# Altium PCB Computer_Board.PcbDoc (part 4 of 5)
Units mm, origin at the board's own origin, x right, y up, seen from the top; angles counter-clockwise.
Board outline 210 x 125 mm, 4 copper layers (Top Layer, Layer 1, Layer 2, Bottom Layer), stack 1.571 mm thick; 443 components, 406 nets, 2112 pads, 1064 vias.
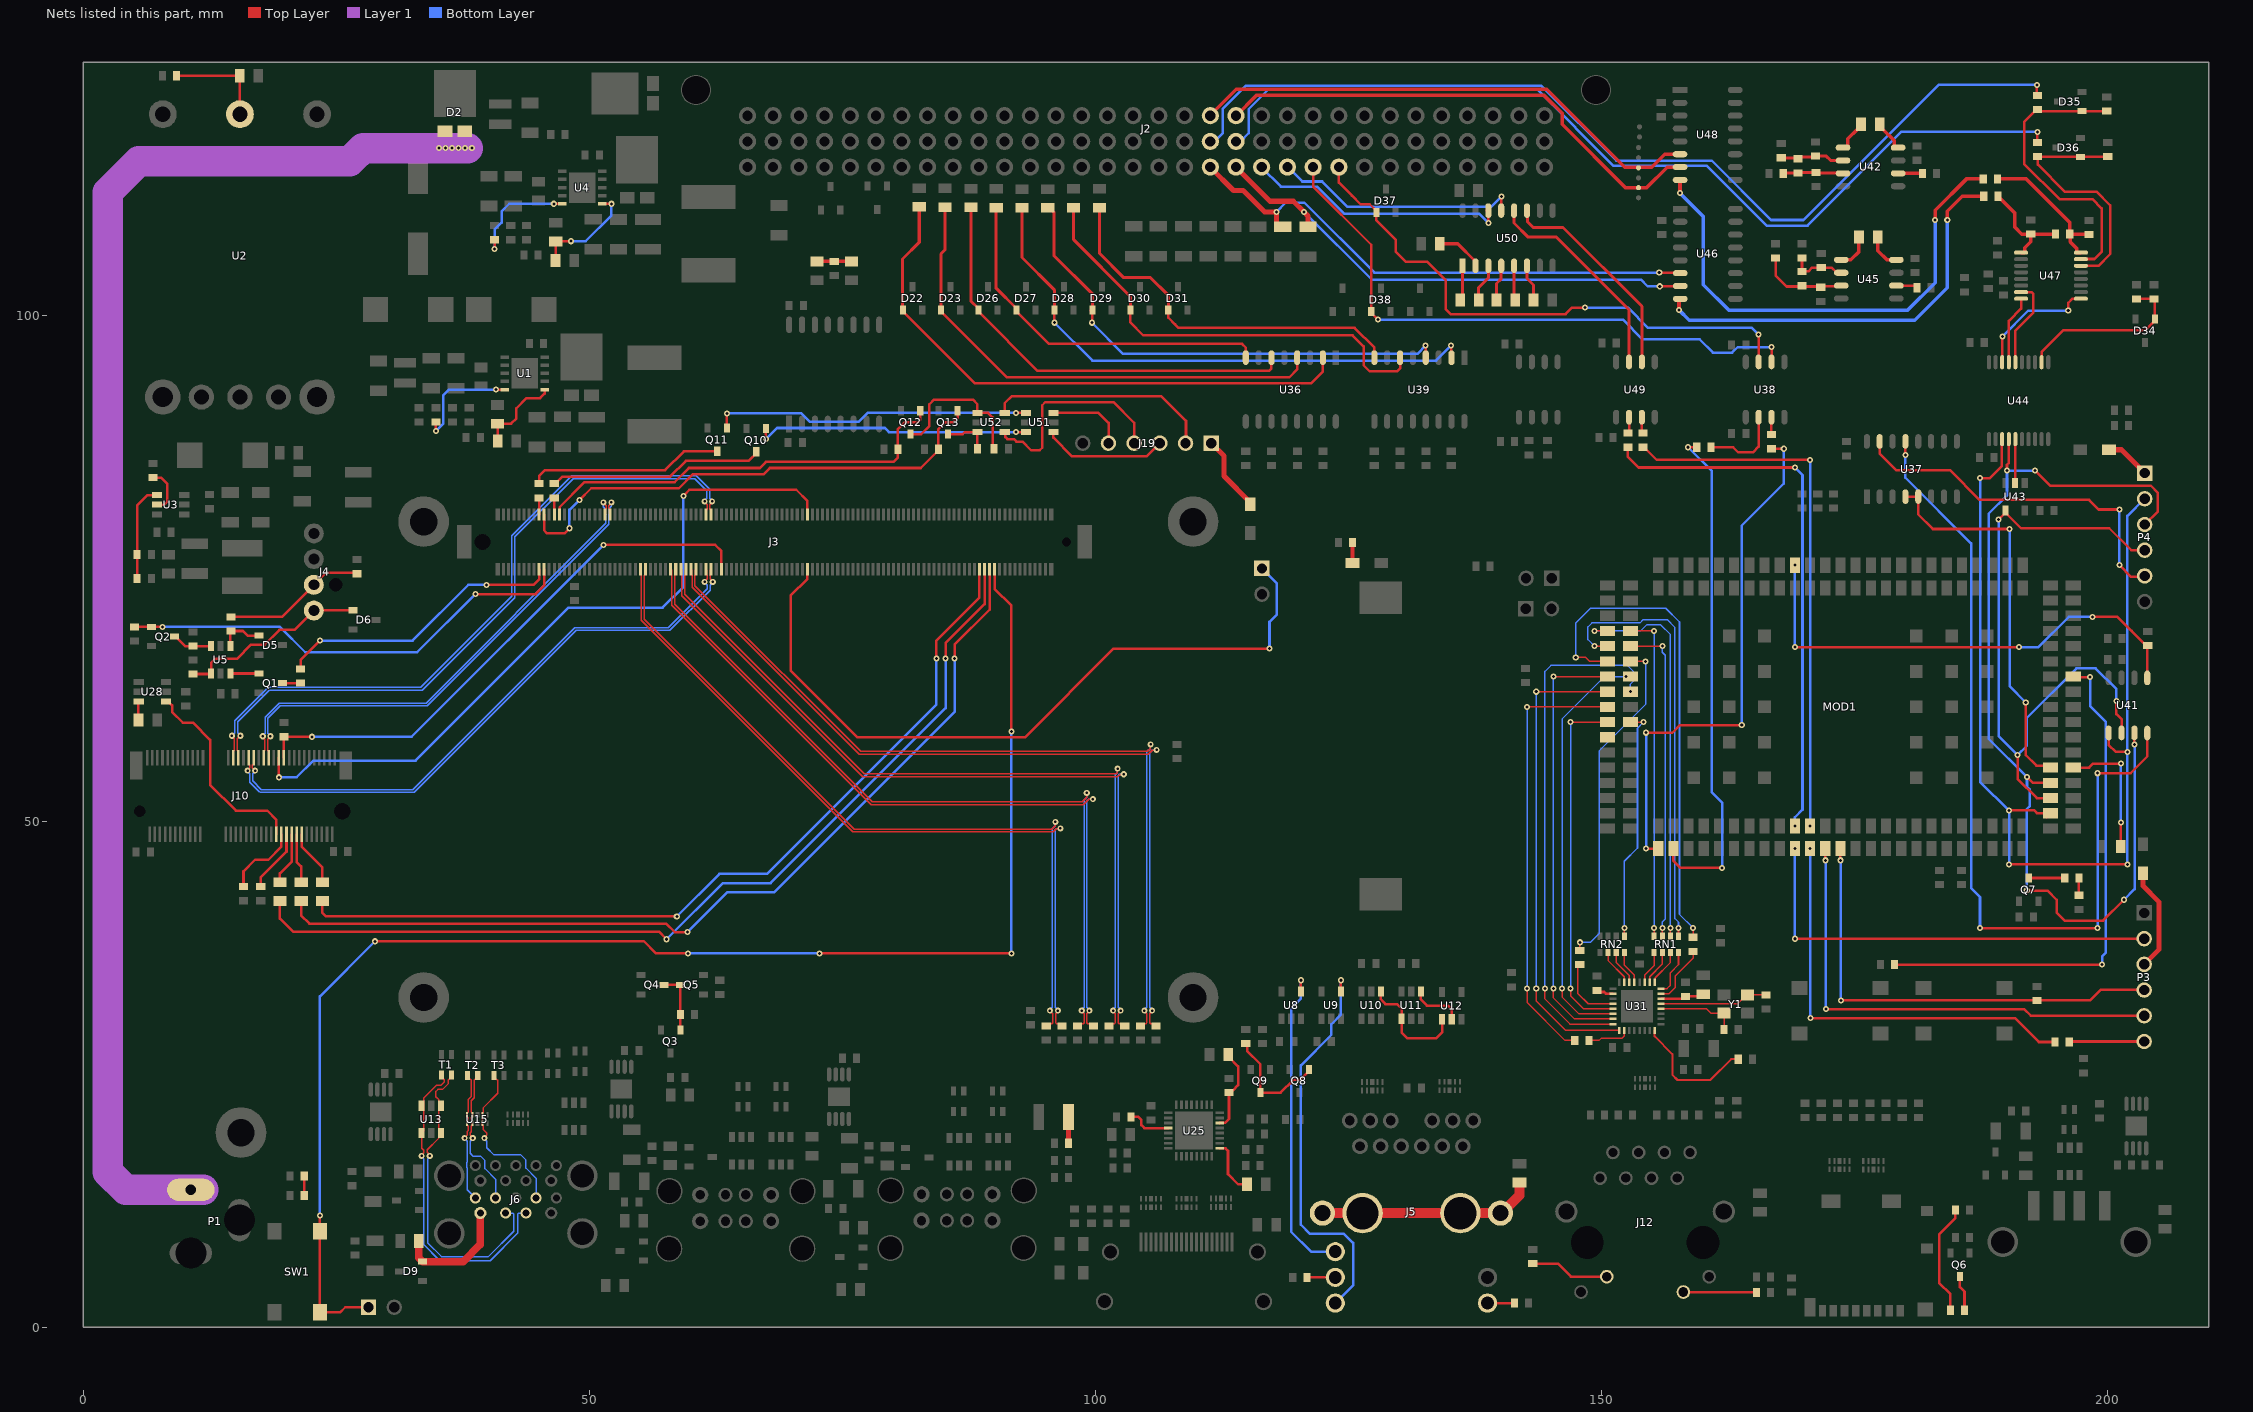
[diagram p6: the nets of this part, all layers, seen from the top]

## Via types
v1: diameter 0.6, hole 0.3, Top Layer to Bottom Layer, tented both sides, 853 vias
v2: diameter 0.6, hole 0.3, Top Layer to Bottom Layer, 91 vias
v3: diameter 0.6, hole 0.25, Top Layer to Bottom Layer, tented both sides, 88 vias
v4: diameter 0.5, hole 0.2, Top Layer to Bottom Layer, tented both sides, 20 vias
v5: diameter 0.45, hole 0.2, Top Layer to Bottom Layer, tented both sides, 5 vias
v6: diameter 0.8, hole 0.4, Top Layer to Bottom Layer, tented both sides, 4 vias
v7: diameter 0.9, hole 0.5, Top Layer to Bottom Layer, tented both sides, 3 vias

## Nets (pads, with @x,y where several pads share a name; then routed paths per layer and width w, separated by ;. In a path a pad name is that pad's centre, name@x,y a point inside that pad or via, vN(x,y) a via of type N, cw(c..) or ccw(c..) an arc to the next point about the centre after c; other vN are vias at no path point) (continued)
NetC79_1: C79.1 C80.1 U31.6 | length 4.3
  Top Layer w0.25: U31.6@155.875,32.475 157.975,32.475 158.2,32.7 C79.1@158.3,32.7 159.9,32.7 C80.1@160.05,32.85
NetC81_1: C81.1 U31.4 Y1.1 | length 8
  Top Layer w0.15: U31.4@155.875,31.475 160.375,31.475 160.8,31.05 Y1.1@162.1,31.05 C81.1@162.1,29.45
NetC82_1: C82.1 U31.5 Y1.3 | length 10.7
  Top Layer w0.15: U31.5@155.875,31.975 163.425,31.975 164.3,32.85 Y1.3@164.4,32.85 C82.1@166.25,32.85
NetC89_1: C89.1 R84.2 R87.1 | length 3.4
  Top Layer w0.35: R84.2@72.5,105.3 C89.1@74.2,105.3 R87.1@75.9,105.3
NetC98_1: C98.1 C100.1 R111.1 U42.2 | length 6.6
  Top Layer w0.3: R111.1@167.55,115.5 169.55,115.5 169.65,115.6 171.05,115.6 C100.1@171.15,115.7 172.2,115.7 172.63,115.27 U42.2@173.85,115.27
NetC98_2: C98.2 C101.1 R113.1 U42.3 | length 6
  Top Layer w0.3: R113.1@167.95,114.025 169.375,114.025 C98.2@169.4,114.05 169.425,114.075 171.175,114.075 171.2,114.05 173.8,114.05 U42.3@173.85,114
NetC104_1: C104.1 C107.1 R116.1 U45.2 | length 5.7
  Top Layer w0.254: R116.1@169.8,105.65 C104.1@169.8,104.332 ; U45.2@173.675,104.185 173.25,104.185 172.735,104.7 170.8,104.7 170.432,104.332 C104.1@169.8,104.332 ; C104.1@169.8,104.332 169.782,104.332 169.75,104.3 C104.1@169.8,104.3 C104.1@169.8,104.332
NetC104_2: C104.2 C108.1 R118.1 U45.3 | length 8.9
  Top Layer w0.254: R118.1@167.2,105.65 167.2,103.9 168.275,102.825 169.725,102.825 C104.2@169.8,102.9 ; C104.2@169.75,102.9 169.825,102.825 C108.1@171.575,102.825 ; C108.1@171.65,102.75 C108.1@171.575,102.825 ; U45.3@173.675,102.915 173.609,102.849 171.599,102.849 C108.1@171.575,102.825
NetC118_2: C118.2 U50.2 | length 4.7
  Top Layer w0.3: C118.2@134.025,107.05 135.799,107.05 137.549,105.3 U50.2@137.549,104.875
NetC119_1: C119.1 U50.3 | length 3.7
  Top Layer w0.3: C119.1@137.825,101.6 137.825,102.675 138.819,103.669 U50.3@138.819,104.875
NetC119_2: C119.2 U50.1 | length 3.4
  Top Layer w0.3: C119.2@135.975,101.6 136.279,101.904 U50.1@136.279,104.875
NetC120_1: C120.1 U50.5 | length 3.4
  Top Layer w0.3: U50.5@141.359,104.875 141.359,101.616 C120.1@141.475,101.5
NetC120_2: C120.2 U50.4 | length 3.6
  Top Layer w0.3: C120.2@139.625,101.5 139.625,103.125 140.089,103.589 U50.4@140.089,104.875
NetC121_1: C121.1 U50.6 | length 3.6
  Top Layer w0.3: U50.6@142.629,104.875 142.629,103.621 143.275,102.975 C121.1@143.275,101.5
NetD2_1: D2.1 D2.2 P1.1 | length 144.3
  Layer 1 w3: P1.1@11.9,13.6 4.207,13.6 2.45,15.357 2.45,112.15 5.5,115.2 26.35,115.2 27.65,116.5 34.75,116.5 35.4,116.5 36.05,116.5 36.7,116.5 37.35,116.5 v1@38,116.5
  other v1: 35.15,116.5 35.8,116.5 36.45,116.5 37.1,116.5 37.75,116.5 38.4,116.5
NetD5_1: D5.1 R14.1 U5.1 | length 4.5
  Top Layer w0.25: U5.1@14.55,67.3 14.55,68.75 R14.1@14.6,68.8 15.8,68.8 16.25,68.35 D5.1@17.4,68.35
NetD6_1: D6.1 J4.4 R17.2 U5.4 | length 19
  Top Layer w0.25: R17.2@10.85,64.55 12.6,64.55 U5.4@12.65,64.6 12.65,65.65 13.05,66.05 15.2,66.05 16.6,67.45 17.95,67.45 19.4,68.9 20.88,68.9 J4.4@22.8,70.82 22.8,70.835 26.635,70.835 D6.1@26.65,70.85
NetD7_1: D7.1 R19.1 | length 2.1
  Top Layer w0.35: D7.1@125.4,75.5 R19.1@125.4,77.55
NetD8_2: D8.2 R20.1 | length 1.9
  Top Layer w0.25: D8.2@21.85,13.05 R20.1@21.85,14.95
NetD17_1: D17.1 P3.3 | length 10.2
  Top Layer w0.5: D17.1@203.5,44.875 203.5,43.6 205.05,42.05 205.05,37.32 P3.3@203.6,35.87
NetD18_1: D18.1 Q6.3 | length 3.5
  Top Layer w0.25: Q6.3@185.4,5.05 185.4,4 185.85,3.55 D18.1@185.85,1.7
NetD18_2: D18.2 R62.1 | length 11
  Top Layer w0.25: D18.2@184.45,1.7 184.45,3.3 183.35,4.4 183.35,9.2 184.95,10.8 R62.1@184.95,11.6
NetD19_1: D19.1 Q7.3 | length 3.6
  Top Layer w0.25: Q7.3@192.2,44.4 D19.1@195.75,44.4
NetD19_2: D19.2 R63.1 | length 1.7
  Top Layer w0.25: R63.1@197.15,42.7 D19.2@197.15,44.4
NetD20_1: D20.1 P4.1 | length 4.5
  Top Layer w0.5: D20.1@200.125,86.7 201.35,86.7 P4.1@203.65,84.4
NetD22_1: D22.1 R85.1 U36.2 | length 57.3
  Top Layer w0.25: D22.1@81,100.35 88.1,93.25 121.3,93.25 122.475,94.425 U36.2@122.475,95.8
  Top Layer w0.3: D22.1@81,100.35 D22.1@81,100.5 80.95,100.55 80.95,105.538 82.6,107.187 R85.1@82.6,110.7
NetD23_1: D23.1 R86.1 U36.4 | length 49.9
  Top Layer w0.25: D23.1@84.75,100.35 91.25,93.85 119.15,93.85 119.935,94.635 U36.4@119.935,95.8
  Top Layer w0.3: D23.1@84.75,100.35 D23.1@84.75,100.5 84.75,106.05 85.15,106.45 R86.1@85.15,110.675
NetD26_1: D26.1 R88.1 U36.6 | length 43.1
  Top Layer w0.25: D26.1@88.45,100.35 94.3,94.5 117.15,94.5 117.395,94.745 U36.6@117.395,95.8
  Top Layer w0.3: R88.1@87.7,110.65 87.7,101.4 88.45,100.65 D26.1@88.45,100.5 D26.1@88.45,100.35
NetD27_1: D27.1 R89.1 U36.8 | length 36.2
  Top Layer w0.25: D27.1@92.2,100.35 95.4,97.15 114.5,97.15 114.855,96.795 U36.8@114.855,95.8
  Top Layer w0.3: R89.1@90.2,110.625 90.2,102.65 92.2,100.65 D27.1@92.2,100.5 D27.1@92.2,100.35
NetD28_1: D28.1 R97.1 U39.2 | length 55.2
  Top Layer w0.25: v2(95.95,99.25) D28.1@95.95,100.5 ; v1(135.137,96.987) 135.15,96.975 U39.2@135.15,95.8
  Top Layer w0.3: R97.1@92.75,110.6 92.75,105.7 95.95,102.5 D28.1@95.95,100.5
  Bottom Layer w0.25: v2(95.95,99.25) 99.7,95.5 133.65,95.5 v1(135.137,96.987)
NetD29_1: D29.1 R98.1 U39.4 | length 49.1
  Top Layer w0.25: v2@99.669,99.269 D29.1@99.669,100.469 ; v1(132.63,96.98) 132.642,96.967 132.642,95.792 U39.4@132.655,95.78
  Top Layer w0.3: R98.1@95.3,110.6 95.475,110.6 95.9,110.175 95.9,105.9 99.7,102.1 D29.1@99.7,100.5
  Top Layer w0.5: v2(99.65,99.25) v2@99.669,99.269 ; D29.1@99.669,100.469 D29.1@99.7,100.5 ; U39.4@132.635,95.8 U39.4@132.642,95.792
  Bottom Layer w0.25: v2(99.65,99.25) 102.7,96.2 131.85,96.2 v1(132.63,96.98)
NetD30_1: D30.1 R99.1 U39.6 | length 44.6
  Top Layer w0.25: D30.1@103.45,100.5 103.45,99.277 104.727,98 125.4,98 126.5,96.9 126.5,95.05 127.1,94.45 129.8,94.45 130.095,94.745 U39.6@130.095,95.8
  Top Layer w0.3: R99.1@97.85,110.625 97.85,107.45 103.45,101.85 D30.1@103.45,100.5
NetD31_1: D31.1 R100.1 U39.8 | length 37.8
  Top Layer w0.25: D31.1@107.2,100.5 107.2,99.75 107.875,99.075 108.2,98.75 125.6,98.75 127.555,96.795 U39.8@127.555,95.8
  Top Layer w0.3: R100.1@100.4,110.625 100.4,106.1 102.8,103.7 105.45,103.7 107.2,101.95 D31.1@107.2,100.5
NetD34_1: D34.1 R105.1 R114.1 U44.12 | length 17.4
  Top Layer w0.254: U44.12@193.475,95.35 193.475,96.375 195.6,98.5 203.7,98.5 204.477,99.277 204.65,99.45 204.65,101.504 R114.1@204.554,101.6 R105.1@202.85,101.6
NetD39_1: D39.1 J19.1 | length 7.6
  Top Layer w0.5: J19.1@111.45,87.35 112.7,86.1 112.7,84.1 115.3,81.5 D39.1@115.3,81.325
NetF2_1: F2.1 L17.2 | length 2.6
  Top Layer w0.5: L17.2@97.35,18.2 F2.1@97.35,20.8
NetJ3_B101: J3.B101 Q2.1 R18.1 | length 45.8
  Top Layer w0.25: R18.1@5.1,69.2 Q2.1@6.75,69.2 v1(7.85,69.2) ; v1(38.75,72.45) 44.7,72.45 45.55,73.3 J3.B101@45.55,74.9
  Bottom Layer w0.25: v1(7.85,69.2) 19.45,69.2 21.95,66.7 33,66.7 v1(38.75,72.45)
NetJ3_B102: J3.B102 R15.1 | length 28.7
  Top Layer w0.25: R15.1@21.5,65.05 21.5,65.95 v1(23.4,67.85) ; v1(39.85,73.35) 44.5,73.35 45.05,73.9 J3.B102@45.05,74.9
  Bottom Layer w0.25: v1(23.4,67.85) 32.55,67.85 38.05,73.35 v1(39.85,73.35)
NetJ4_3: J4.3 R13.1 R14.2 | length 14.2
  Top Layer w0.25: R14.2@14.6,70.2 19.64,70.2 J4.3@22.8,73.36 23.99,74.55 26.85,74.55 R13.1@26.95,74.45
NetJ5_14: J5.14 R21.2 | length 2.7
  Top Layer w0.25: J5.14@138.74,2.41 141.39,2.41 R21.2@141.4,2.4
NetJ5_15: J5.15 U8.4 | length 31.5
  Top Layer w0.25: U8.4@120.3,33.2 v1(120.3,34.3)
  Bottom Layer w0.25: v1(120.3,34.3) 120.3,32.5 119.35,31.55 119.35,9.45 121.31,7.49 J5.15@123.7,7.49
NetJ5_16: J5.16 R22.2 | length 2.8
  Top Layer w0.25: R22.2@120.9,4.95 J5.16@123.7,4.95
NetJ5_17: J5.17 U9.4 | length 39.4
  Top Layer w0.25: U9.4@124.25,33.2 v1(124.25,34.3)
  Bottom Layer w0.25: J5.17@123.7,2.41 125.45,4.16 125.45,8.35 124.55,9.25 121.2,9.25 120.3,10.15 120.3,25.9 123.3,28.9 123.3,29.95 124.25,30.9 v1(124.25,34.3)
NetJ10_52: J10.52 U28.4 | length 20.2
  Top Layer w0.25: U28.4@8.2,61.85 8.4,61.85 8.8,61.45 8.8,60.8 9.85,59.75 10.85,59.75 12.55,58.05 12.55,53.6 15.1,51.05 18.2,51.05 19.1,50.15 J10.52@19.1,48.725
NetJ10_54: J10.54 R44.2 | length 7.5
  Top Layer w0.25: R44.2@15.85,43.55 15.85,45.05 17,46.2 18.3,46.2 19.6,47.5 J10.54@19.6,48.725
NetJ10_56: J10.56 R45.2 | length 6.2
  Top Layer w0.25: R45.2@17.55,43.55 17.55,44.45 20.1,47 J10.56@20.1,48.725
NetJ10_58: J10.58 R48.2 | length 5.2
  Top Layer w0.25: R48.2@19.45,43.975 19.45,44.85 20.6,46 J10.58@20.6,48.725
NetJ10_60: J10.60 R49.2 | length 4.9
  Top Layer w0.25: J10.60@21.1,48.725 21.1,46 21.55,45.55 R49.2@21.55,43.975
NetJ10_62: J10.62 R50.2 | length 5.6
  Top Layer w0.25: J10.62@21.6,48.725 21.6,47.5 23.65,45.45 R50.2@23.65,43.975
NetJ12_10: J12.10 R68.2 | length 7.2
  Top Layer w0.25: J12.10@158.085,3.5 165.25,3.5 R68.2@165.3,3.45
NetJ12_11: J12.11 R77.1 | length 7.8
  Top Layer w0.25: R77.1@143.2,6.3 145.7,6.3 146.98,5.02 J12.11@150.515,5.02
NetMOD1_44: MOD1.44 P3.2 | length 43.4
  Top Layer w0.25: v1(169.1,38.4) 203.59,38.4 P3.2@203.6,38.41
  Bottom Layer w0.25: v1(169.1,38.4) v1(169.1,47.3)
NetMOD1_45: MOD1.45 R54.1 | length 41.9
  Top Layer w0.25: v1(170.654,30.55) 190.85,30.55 193.2,28.2 R54.1@194.8,28.2
  Bottom Layer w0.25: v1(170.6,47.3) 170.627,47.273 170.627,30.577 v1(170.654,30.55)
NetMOD1_46: MOD1.46 P3.5 | length 47.6
  Top Layer w0.25: v1(172.1,46.15) MOD1.46@172.1,47.3 ; v1(172.15,31.45) 191.75,31.45 192.41,30.79 P3.5@203.6,30.79
  Bottom Layer w0.25: v1(172.1,46.15) 172.15,46.1 v1(172.15,31.45)
NetMOD1_47: MOD1.47 P3.4 R55.2 | length 45.4
  Top Layer w0.25: v1(173.6,46.15) MOD1.47@173.6,47.3 ; v1(173.631,32.319) 198.269,32.319 199.29,33.34 203.59,33.34 P3.4@203.6,33.33
  Bottom Layer w0.25: v1(173.6,46.15) 173.625,46.125 173.625,32.325 v1(173.631,32.319)
NetMOD1_89: MOD1.89 R64.2 | length 13.1
  Top Layer w0.25: MOD1.89@196.6,55.3 198.15,55.3 198.55,55.7 v1(201.3,55.7) ; R64.2@201.3,47.5 v1(201.3,49.9)
  Bottom Layer w0.25: v1(201.3,49.9) v1(201.3,55.7)
NetMOD1_95: MOD1.95 R65.2 | length 51.4
  Top Layer w0.25: R65.2@178.95,35.85 v1(199.45,35.85) ; MOD1.95@196.6,64.3 196.65,64.25 v1(198.25,64.25)
  Bottom Layer w0.25: v1(198.25,64.25) 198.25,61.4 199.8,59.85 199.8,37 199.45,36.65 v1(199.45,35.85)
NetP3_6: P3.6 R54.2 | length 7.4
  Top Layer w0.25: R54.2@196.2,28.2 196.25,28.25 P3.6@203.6,28.25
NetQ1_1: Q1.1 U5.6 | length 2.9
  Top Layer w0.25: U5.6@14.55,64.6 Q1.1@17.4,64.6
NetQ1_3: Q1.3 R15.2 | length 1.8
  Top Layer w0.25: Q1.3@19.7,63.65 R15.2@21.5,63.65
NetQ2_3: Q2.3 R16.2 U5.3 | length 4
  Top Layer w0.25: Q2.3@9.05,68.25 9.2,68.25 9.375,68.075 9.375,68.015 10.09,67.3 U5.3@12.65,67.3
NetQ3_1: Q3.1 Q4.3 Q5.3 R28.2 | length 6.1
  Top Layer w0.25: Q4.3@57.4,33.85 Q5.3@59,33.85 Q3.1@59,29.4
NetQ8_1: Q8.1 Q9.3 R126.2 | length 11.3
  Top Layer w0.25: R126.2@114.85,28.05 114.979,27.921 114.979,27.321 116.3,26 Q9.3@116.3,23.2 118.3,23.2 119.55,24.45 120.2,24.45 121.1,25.35 Q8.1@121.1,25.5
NetQ10_1: Q10.1 U51.6 | length 27.4
  Top Layer w0.25: v1(67.45,87.75) Q10.1@67.45,88.8 ; v1(92.15,88.45) U51.6@93.15,88.45
  Bottom Layer w0.25: v1(67.45,87.75) 68.55,88.85 79.2,88.85 79.6,88.45 v1(92.15,88.45)
NetQ10_3: Q10.3 R129.2 | length 21.3
  Top Layer w0.25: R129.2@46.55,83.35 46.65,83.35 46.875,83.575 47.35,84.05 58,84.05 59.55,85.6 65.75,85.6 66,85.85 66.5,86.35 Q10.3@66.5,86.5
NetQ11_1: Q11.1 U51.4 | length 31.7
  Top Layer w0.25: Q11.1@63.6,88.85 v1(63.6,90.3) ; v1(92.15,90.35) U51.4@93.15,90.35
  Bottom Layer w0.25: v1(63.6,90.3) 70.95,90.3 71.8,89.45 76.6,89.45 77.5,90.35 v1(92.15,90.35)
NetQ11_3: Q11.3 R130.2 | length 19.4
  Top Layer w0.25: R130.2@45.05,83.35 45.05,84.1 45.65,84.7 57.5,84.7 59.35,86.55 Q11.3@62.65,86.55
NetQ12_3: Q12.3 R131.2 U52.1 | length 15.2
  Top Layer w0.25: Q12.3@81.75,88.25 82.8,88.25 83.6,89.05 83.6,91.2 84.05,91.65 87.9,91.65 88.35,91.2 U52.1@88.35,90.35 89.4,90.35 89.85,89.9 89.85,86.95 R131.2@90,86.8
NetQ13_3: Q13.3 R132.2 U52.3 | length 4.6
  Top Layer w0.25: Q13.3@85.45,88.25 86.9,88.25 87.1,88.45 U52.3@88.35,88.45 R132.2@88.35,86.8
NetR1_1: R1.1 R125.1 U2.2 | length 10
  Top Layer w0.25: R1.1@9.25,123.65 R125.1@15.475,123.65 15.5,123.625 U2.2@15.5,119.85
NetR2_2: R2.2 R5.1 U1.6 | length 8.6
  Top Layer w0.25: R2.2@40.95,87.55 R5.1@40.95,89.275 42.275,89.275 42.8,89.8 42.8,90.8 43.8,91.8 45.15,91.8 45.6,92.25 U1.6@45.6,92.65 U1.6@45.596,92.646
NetR4_1: R4.1 U1.5 | length 11
  Top Layer w0.25: v1(34.85,88.55) R4.1@34.85,89.45 ; v1(40.8,92.65) U1.5@41.65,92.65
  Bottom Layer w0.25: v1(34.85,88.55) 35.6,89.3 35.6,92.1 36.15,92.65 v1(40.8,92.65)
NetR6_1: R6.1 U3.5 | length 4.6
  Top Layer w0.25: R6.1@6.9,83.95 7.7,83.95 8.3,83.35 8.3,81.55 8.029,81.279 7.304,81.279 U3.5@7.3,81.275
NetR7_2: R7.2 R8.1 U3.4 | length 9.6
  Top Layer w0.25: R7.2@5.35,74 R8.1@5.35,76.35 5.35,81.2 6.375,82.225 U3.4@7.3,82.225
NetR9_2: R9.2 R12.1 U4.6 | length 10.5
  Top Layer w0.25: R9.2@46.675,105.4 46.7,105.425 R12.1@46.7,107.275 48.175,107.275 v1(48.2,107.3) ; U4.6@51.3,111 v1(52.2,111)
  Bottom Layer w0.25: v1(48.2,107.3) 49.65,107.3 52.2,109.85 v1(52.2,111)
NetR11_1: R11.1 U4.5 | length 11.2
  Top Layer w0.25: v1(40.65,106.55) R11.1@40.65,107.45 ; v1(46.5,111) U4.5@47.35,111
  Bottom Layer w0.25: v1(40.65,106.55) 40.65,108.45 41.35,109.15 41.35,110.25 42.1,111 v1(46.5,111)
NetR33_1: R33.1 U25.17 | length 5.5
  Top Layer w0.25: U25.17@112.3,17.7 112.31,17.69 112.86,17.69 113.1,17.45 113.1,15.15 114.1,14.15 R33.1@114.975,14.15
NetR36_2: R36.2 R37.2 U25.22 | length 8.3
  Top Layer w0.25: U25.22@112.3,20.2 112.31,20.21 112.81,20.21 113.2,20.6 R36.2@113.2,23.2 113.425,23.425 113.575,23.425 114.1,23.95 114.1,25.8 113.125,26.775 R37.2@113.125,26.95
NetR40_1: R40.1 U25.4 | length 4.4
  Top Layer w0.25: R40.1@103.5,20.8 104.25,20.8 104.55,20.5 104.55,20 104.85,19.7 U25.4@107.2,19.7
NetR47_2: R47.2 U28.3 | length 1.9
  Top Layer w0.25: R47.2@5.475,60 5.475,61.825 U28.3@5.5,61.85
NetR51_2: R51.2 U38.2 | length 8.1
  Top Layer w0.25: R51.2@160.8,86.95 163,86.95 163.5,86.45 164.95,86.45 165.515,87.015 U38.2@165.515,89.925
NetR52_2: R52.2 U38.3 | length 1.7
  Top Layer w0.25: U38.3@166.785,89.925 166.785,88.215 R52.2@166.8,88.2
NetR74_2: R74.2 U31.26 | length 4.2
  Top Layer w0.15: R74.2@148.75,28.35 149.75,28.35 149.95,28.55 152,28.55 152.25,28.8 U31.26@152.25,29.35
NetR75_2: R75.2 U31.7 | length 6
  Top Layer w0.15: U31.7@155.875,32.975 156.675,32.975 157.3,33.6 157.3,34.75 159.05,36.5 R75.2@159.05,37.15
NetR76_2: R76.2 U31.20 | length 6.8
  Top Layer w0.15: R76.2@147.85,35.85 147.65,35.65 147.65,33 148.675,31.975 U31.20@151.125,31.975
NetR78_1: R78.1 U31.18 | length 1.7
  Top Layer w0.25: R78.1@149.55,33.3 149.712,33.138 150.263,33.138 150.425,32.975 U31.18@151.125,32.975
NetR80_1: R80.1 U31.32 | length 12.7
  Top Layer w0.2: U31.32@155.25,29.35 155.25,28.75 157,27 157,24.95 157.5,24.45 160.75,24.45 162.8,26.5 R80.1@163.5,26.5
NetR110_1: R110.1 U42.8 | length 3.2
  Top Layer w0.35: R110.1@177.475,118.85 177.475,118.675 177.775,118.375 178.905,117.245 178.905,116.655 179.021,116.54 U42.8@179.3,116.54
NetR110_2: R110.2 U42.1 | length 3.3
  Top Layer w0.35: U42.1@173.85,116.54 174.2,116.54 174.315,116.655 174.315,117.415 175.275,118.375 175.325,118.375 175.625,118.675 R110.2@175.625,118.85
NetR112_2: R112.2 U42.6 | length 2.5
  Top Layer w0.35: U42.6@179.3,114 181.525,114 181.7,113.825 R112.2@181.7,113.8
NetR115_1: R115.1 U45.8 | length 3.6
  Top Layer w0.35: R115.1@177.275,107.734 177.275,106.375 178.195,105.455 U45.8@179.125,105.455
NetR115_2: R115.2 U45.1 | length 3.5
  Top Layer w0.35: U45.1@173.675,105.455 174.605,105.455 175.425,106.275 R115.2@175.425,107.734
NetR117_2: R117.2 U45.6 | length 2.1
  Top Layer w0.254: U45.6@179.125,102.915 180.935,102.915 R117.2@181.15,102.7
NetR123_2: R123.2 U49.2 | length 1.6
  Top Layer w0.25: R123.2@152.6,88.35 152.715,88.465 U49.2@152.715,89.925
NetR124_2: R124.2 U49.3 | length 1.6
  Top Layer w0.25: U49.3@153.985,89.925 153.985,88.465 R124.2@154.1,88.35
NetRN1_5: RN1.5 U31.11 | length 3.3
  Top Layer w0.15: U31.11@154.25,34.1 154.25,34.8 155.2,35.75 RN1.5@155.2,37.05
NetRN1_6: RN1.6 U31.10 | length 3.5
  Top Layer w0.15: U31.10@154.75,34.1 154.75,34.65 156,35.9 RN1.6@156,37.05
NetRN1_7: RN1.7 U31.9 | length 3.6
  Top Layer w0.15: U31.9@155.25,34.1 155.297,34.147 155.297,34.547 156.8,36.05 RN1.7@156.8,37.05
NetRN1_8: RN1.8 U31.8 | length 4.6
  Top Layer w0.15: U31.8@155.875,33.475 156.475,33.475 156.8,33.8 156.8,35.05 157.6,35.85 RN1.8@157.6,37.05
NetRN2_6: RN2.6 U31.15 | length 3.6
  Top Layer w0.15: RN2.6@150.65,37.05 150.65,36.25 152.25,34.65 U31.15@152.25,34.1
NetRN2_7: RN2.7 U31.14 | length 3.5
  Top Layer w0.15: RN2.7@151.45,37.05 151.45,36.05 152.75,34.75 U31.14@152.75,34.1
NetRN2_8: RN2.8 U31.13 | length 3.4
  Top Layer w0.15: RN2.8@152.25,37.05 152.25,35.8 153.25,34.8 U31.13@153.25,34.1
NetU10_4: U10.4 U11.1 U12.1 | length 11.4
  Top Layer w0.25: U10.4@128.2,33.2 128.2,32.4 128.65,31.95 129.8,31.95 130.25,31.5 U11.1@130.25,30.5 130.25,29.15 130.85,28.55 133.65,28.55 134.25,29.15 U12.1@134.25,30.45
NetU11_4: U11.4 U12.2 | length 5.2
  Top Layer w0.25: U11.4@132.15,33.2 132.15,32.4 132.75,31.8 134.85,31.8 135.2,31.45 U12.2@135.2,30.45
NetU43_2: U43.2 U44.5 | length 4.4
  Top Layer w0.25: U43.2@190.85,83.4 190.862,83.413 190.862,87.737 U44.5@190.875,87.75
NetU49_6: U49.6 U50.11 | length 21.4
  Top Layer w0.3: U50.11@142.629,110.325 142.687,110.268 142.687,109.213 143.25,108.65 146.2,108.65 153.985,100.865 U49.6@153.985,95.375
NetU49_7: U49.7 U50.12 | length 21.3
  Top Layer w0.3: U50.12@141.359,110.325 141.359,109.091 142.75,107.7 145.55,107.7 152.715,100.535 U49.7@152.715,95.375